# Altium PCB openservo_tessellated.PcbDoc (part 4 of 13) (continued)
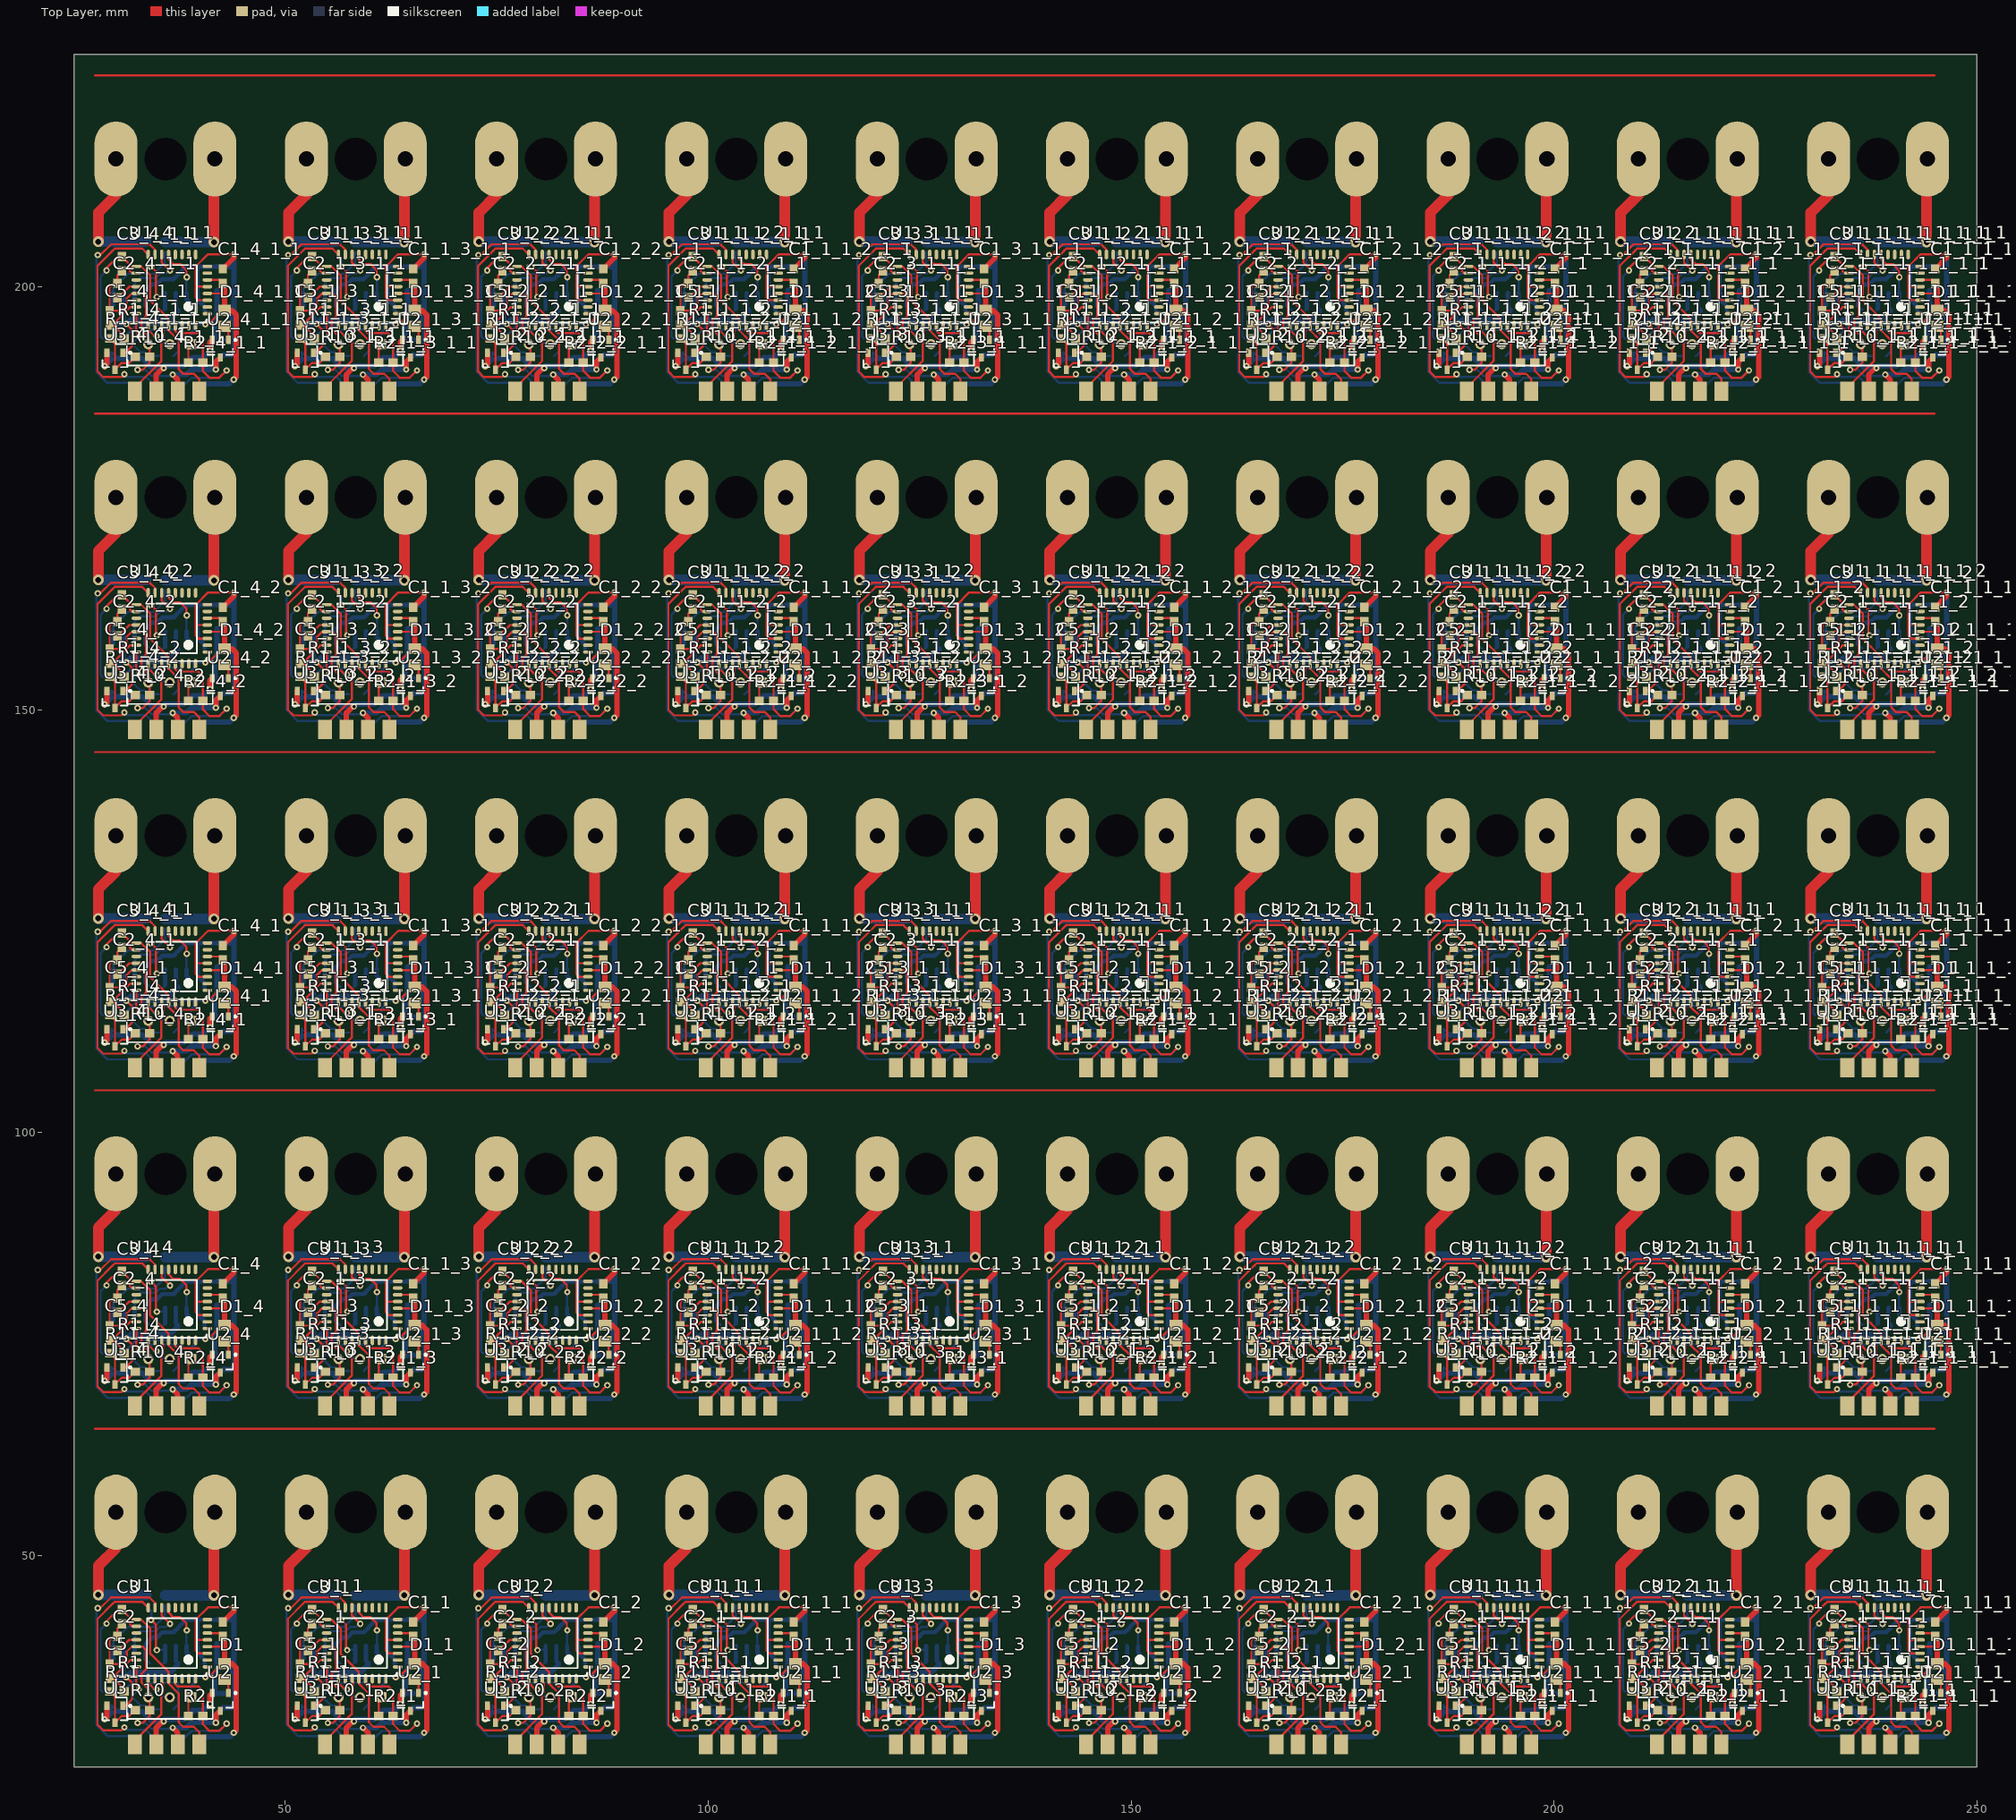
[diagram p0: Top Layer view]
## Nets (pads, with @x,y where several pads share a name; then routed paths per layer and width w, separated by ;. In a path a pad name is that pad's centre, name@x,y a point inside that pad or via, vN(x,y) a via of type N, cw(c..) or ccw(c..) an arc to the next point about the centre after c; other vN are vias at no path point) (continued)
U1_1_1_2.14 U1_1_1_2.15 U1_1_1_2.16 U1_1_1_2.17 U1_1_1_2.18 U1_1_1_2.19 U1_1_1_2.20 U1_1_1_2.21 U1_1_1_2.22 U1_1_1_2.23 U1_1_1_2.24 U1_1_1_2.25 U1_1_1_2.26 U1_1_1_2.27 U1_1_1_2.28 U1_1_1_2.29 U1_1_1_2.30 U1_1_1_2.31 U1_1_1_2.32 U1_1_1_2_1.1 U1_1_1_2_1.2 U1_1_1_2_1.3 U1_1_1_2_1.4 U1_1_1_2_1.5 U1_1_1_2_1.6 U1_1_1_2_1.7 U1_1_1_2_1.8 U1_1_1_2_1.9 U1_1_1_2_1.10 U1_1_1_2_1.11 U1_1_1_2_1.12 U1_1_1_2_1.13 U1_1_1_2_1.14 U1_1_1_2_1.15 U1_1_1_2_1.16 U1_1_1_2_1.17 U1_1_1_2_1.18 U1_1_1_2_1.19 U1_1_1_2_1.20 U1_1_1_2_1.21 U1_1_1_2_1.22 U1_1_1_2_1.23 U1_1_1_2_1.24 U1_1_1_2_1.25 U1_1_1_2_1.26 U1_1_1_2_1.27 U1_1_1_2_1.28 U1_1_1_2_1.29 U1_1_1_2_1.30 U1_1_1_2_1.31 U1_1_1_2_1.32 U1_1_1_2_1_1.1 U1_1_1_2_1_1.2 U1_1_1_2_1_1.3 U1_1_1_2_1_1.4 U1_1_1_2_1_1.5 U1_1_1_2_1_1.6 U1_1_1_2_1_1.7 U1_1_1_2_1_1.8 U1_1_1_2_1_1.9 U1_1_1_2_1_1.10 U1_1_1_2_1_1.11 U1_1_1_2_1_1.12 U1_1_1_2_1_1.13 U1_1_1_2_1_1.14 U1_1_1_2_1_1.15 U1_1_1_2_1_1.16 U1_1_1_2_1_1.17 U1_1_1_2_1_1.18 U1_1_1_2_1_1.19 U1_1_1_2_1_1.20 U1_1_1_2_1_1.21 U1_1_1_2_1_1.22 U1_1_1_2_1_1.23 U1_1_1_2_1_1.24 U1_1_1_2_1_1.25 U1_1_1_2_1_1.26 U1_1_1_2_1_1.27 U1_1_1_2_1_1.28 U1_1_1_2_1_1.29 U1_1_1_2_1_1.30 U1_1_1_2_1_1.31 U1_1_1_2_1_1.32 U1_1_1_2_2.1 U1_1_1_2_2.2 U1_1_1_2_2.3 U1_1_1_2_2.4 U1_1_1_2_2.5 U1_1_1_2_2.6 U1_1_1_2_2.7 U1_1_1_2_2.8 U1_1_1_2_2.9 U1_1_1_2_2.10 U1_1_1_2_2.11 U1_1_1_2_2.12 U1_1_1_2_2.13 U1_1_1_2_2.14 U1_1_1_2_2.15 U1_1_1_2_2.16 U1_1_1_2_2.17 U1_1_1_2_2.18 U1_1_1_2_2.19 U1_1_1_2_2.20 U1_1_1_2_2.21 U1_1_1_2_2.22 U1_1_1_2_2.23 U1_1_1_2_2.24 U1_1_1_2_2.25 U1_1_1_2_2.26 U1_1_1_2_2.27 U1_1_1_2_2.28 U1_1_1_2_2.29 U1_1_1_2_2.30 U1_1_1_2_2.31 U1_1_1_2_2.32 U1_1_2.1 U1_1_2.2 U1_1_2.3 U1_1_2.4 U1_1_2.5 U1_1_2.6 U1_1_2.7 U1_1_2.8 U1_1_2.9 U1_1_2.10 U1_1_2.11 U1_1_2.12 U1_1_2.13 U1_1_2.14 U1_1_2.15 U1_1_2.16 U1_1_2.17 U1_1_2.18 U1_1_2.19 U1_1_2.20 U1_1_2.21 U1_1_2.22 U1_1_2.23 U1_1_2.24 U1_1_2.25 U1_1_2.26 U1_1_2.27 U1_1_2.28 U1_1_2.29 U1_1_2.30 U1_1_2.31 U1_1_2.32 U1_1_2_1.1 U1_1_2_1.2 U1_1_2_1.3 U1_1_2_1.4 U1_1_2_1.5 U1_1_2_1.6 U1_1_2_1.7 U1_1_2_1.8 U1_1_2_1.9 U1_1_2_1.10 U1_1_2_1.11 U1_1_2_1.12 U1_1_2_1.13 U1_1_2_1.14 U1_1_2_1.15 U1_1_2_1.16 U1_1_2_1.17 U1_1_2_1.18 U1_1_2_1.19 U1_1_2_1.20 U1_1_2_1.21 U1_1_2_1.22 U1_1_2_1.23 U1_1_2_1.24 U1_1_2_1.25 U1_1_2_1.26 U1_1_2_1.27 U1_1_2_1.28 U1_1_2_1.29 U1_1_2_1.30 U1_1_2_1.31 U1_1_2_1.32 U1_1_2_1_1.1 U1_1_2_1_1.2 U1_1_2_1_1.3 U1_1_2_1_1.4 U1_1_2_1_1.5 U1_1_2_1_1.6 U1_1_2_1_1.7 U1_1_2_1_1.8 U1_1_2_1_1.9 U1_1_2_1_1.10 U1_1_2_1_1.11 U1_1_2_1_1.12 U1_1_2_1_1.13 U1_1_2_1_1.14 U1_1_2_1_1.15 U1_1_2_1_1.16 U1_1_2_1_1.17 U1_1_2_1_1.18 U1_1_2_1_1.19 U1_1_2_1_1.20 U1_1_2_1_1.21 U1_1_2_1_1.22 U1_1_2_1_1.23 U1_1_2_1_1.24 U1_1_2_1_1.25 U1_1_2_1_1.26 U1_1_2_1_1.27 U1_1_2_1_1.28 U1_1_2_1_1.29 U1_1_2_1_1.30 U1_1_2_1_1.31 U1_1_2_1_1.32 U1_1_2_1_1_1.1 U1_1_2_1_1_1.2 U1_1_2_1_1_1.3 U1_1_2_1_1_1.4 U1_1_2_1_1_1.5 U1_1_2_1_1_1.6 U1_1_2_1_1_1.7 U1_1_2_1_1_1.8 U1_1_2_1_1_1.9 U1_1_2_1_1_1.10 U1_1_2_1_1_1.11 U1_1_2_1_1_1.12 U1_1_2_1_1_1.13 U1_1_2_1_1_1.14 U1_1_2_1_1_1.15 U1_1_2_1_1_1.16 U1_1_2_1_1_1.17 U1_1_2_1_1_1.18 U1_1_2_1_1_1.19 U1_1_2_1_1_1.20 U1_1_2_1_1_1.21 U1_1_2_1_1_1.22 U1_1_2_1_1_1.23 U1_1_2_1_1_1.24 U1_1_2_1_1_1.25 U1_1_2_1_1_1.26 U1_1_2_1_1_1.27 U1_1_2_1_1_1.28 U1_1_2_1_1_1.29 U1_1_2_1_1_1.30 U1_1_2_1_1_1.31 U1_1_2_1_1_1.32 U1_1_2_1_2.1 U1_1_2_1_2.2 U1_1_2_1_2.3 U1_1_2_1_2.4 U1_1_2_1_2.5 U1_1_2_1_2.6 U1_1_2_1_2.7 U1_1_2_1_2.8 U1_1_2_1_2.9 U1_1_2_1_2.10 U1_1_2_1_2.11 U1_1_2_1_2.12 U1_1_2_1_2.13 U1_1_2_1_2.14 U1_1_2_1_2.15 U1_1_2_1_2.16 U1_1_2_1_2.17 U1_1_2_1_2.18 U1_1_2_1_2.19 U1_1_2_1_2.20 U1_1_2_1_2.21 U1_1_2_1_2.22 U1_1_2_1_2.23 U1_1_2_1_2.24 U1_1_2_1_2.25 U1_1_2_1_2.26 U1_1_2_1_2.27 U1_1_2_1_2.28 U1_1_2_1_2.29 U1_1_2_1_2.30 U1_1_2_1_2.31 U1_1_2_1_2.32 U1_1_3.1 U1_1_3.2 U1_1_3.3 U1_1_3.4 U1_1_3.5 U1_1_3.6 U1_1_3.7 U1_1_3.8 U1_1_3.9 U1_1_3.10 U1_1_3.11 U1_1_3.12 U1_1_3.13 U1_1_3.14 U1_1_3.15 U1_1_3.16 U1_1_3.17 U1_1_3.18 U1_1_3.19 U1_1_3.20 U1_1_3.21 U1_1_3.22 U1_1_3.23 U1_1_3.24 U1_1_3.25 U1_1_3.26 U1_1_3.27 U1_1_3.28 U1_1_3.29 U1_1_3.30 U1_1_3.31 U1_1_3.32 U1_1_3_1.1 U1_1_3_1.2 U1_1_3_1.3 U1_1_3_1.4 U1_1_3_1.5 U1_1_3_1.6 U1_1_3_1.7 U1_1_3_1.8 U1_1_3_1.9 U1_1_3_1.10 U1_1_3_1.11 U1_1_3_1.12 U1_1_3_1.13 U1_1_3_1.14 U1_1_3_1.15 U1_1_3_1.16 U1_1_3_1.17 U1_1_3_1.18 U1_1_3_1.19 U1_1_3_1.20 U1_1_3_1.21 U1_1_3_1.22 U1_1_3_1.23 U1_1_3_1.24 U1_1_3_1.25 U1_1_3_1.26 U1_1_3_1.27 U1_1_3_1.28 U1_1_3_1.29 U1_1_3_1.30 U1_1_3_1.31 U1_1_3_1.32 U1_1_3_1_1.1 U1_1_3_1_1.2 U1_1_3_1_1.3 U1_1_3_1_1.4 U1_1_3_1_1.5 U1_1_3_1_1.6 U1_1_3_1_1.7 U1_1_3_1_1.8 U1_1_3_1_1.9 U1_1_3_1_1.10 U1_1_3_1_1.11 U1_1_3_1_1.12 U1_1_3_1_1.13 U1_1_3_1_1.14 U1_1_3_1_1.15 U1_1_3_1_1.16 U1_1_3_1_1.17 U1_1_3_1_1.18 U1_1_3_1_1.19 U1_1_3_1_1.20 U1_1_3_1_1.21 U1_1_3_1_1.22 U1_1_3_1_1.23 U1_1_3_1_1.24 U1_1_3_1_1.25 U1_1_3_1_1.26 U1_1_3_1_1.27 U1_1_3_1_1.28 U1_1_3_1_1.29 U1_1_3_1_1.30 U1_1_3_1_1.31 U1_1_3_1_1.32 U1_1_3_2.1 U1_1_3_2.2 U1_1_3_2.3 U1_1_3_2.4 U1_1_3_2.5 U1_1_3_2.6 U1_1_3_2.7 U1_1_3_2.8 U1_1_3_2.9 U1_1_3_2.10 U1_1_3_2.11 U1_1_3_2.12 U1_1_3_2.13 U1_1_3_2.14 U1_1_3_2.15 U1_1_3_2.16 U1_1_3_2.17 U1_1_3_2.18 U1_1_3_2.19 U1_1_3_2.20 U1_1_3_2.21 U1_1_3_2.22 U1_1_3_2.23 U1_1_3_2.24 U1_1_3_2.25 U1_1_3_2.26 U1_1_3_2.27 U1_1_3_2.28 U1_1_3_2.29 U1_1_3_2.30 U1_1_3_2.31 U1_1_3_2.32 U1_2.1 U1_2.2 U1_2.3 U1_2.4 U1_2.5 U1_2.6 U1_2.7 U1_2.8 U1_2.9 U1_2.10 U1_2.11 U1_2.12 U1_2.13 U1_2.14 U1_2.15 U1_2.16 U1_2.17 U1_2.18 U1_2.19 U1_2.20 U1_2.21 U1_2.22 U1_2.23 U1_2.24 U1_2.25 U1_2.26 U1_2.27 U1_2.28 U1_2.29 U1_2.30 U1_2.31 U1_2.32 U1_2_1.1 U1_2_1.2 U1_2_1.3 U1_2_1.4 U1_2_1.5 U1_2_1.6 U1_2_1.7 U1_2_1.8 U1_2_1.9 U1_2_1.10 U1_2_1.11 U1_2_1.12 U1_2_1.13 U1_2_1.14 U1_2_1.15 U1_2_1.16 U1_2_1.17 U1_2_1.18 U1_2_1.19 U1_2_1.20 U1_2_1.21 U1_2_1.22 U1_2_1.23 U1_2_1.24 U1_2_1.25 U1_2_1.26 U1_2_1.27 U1_2_1.28 U1_2_1.29 U1_2_1.30 U1_2_1.31 U1_2_1.32 U1_2_1_1.1 U1_2_1_1.2 U1_2_1_1.3 U1_2_1_1.4 U1_2_1_1.5 U1_2_1_1.6 U1_2_1_1.7 U1_2_1_1.8 U1_2_1_1.9 U1_2_1_1.10 U1_2_1_1.11 U1_2_1_1.12 U1_2_1_1.13 U1_2_1_1.14 U1_2_1_1.15 U1_2_1_1.16 U1_2_1_1.17 U1_2_1_1.18 U1_2_1_1.19 U1_2_1_1.20 U1_2_1_1.21 U1_2_1_1.22 U1_2_1_1.23 U1_2_1_1.24 U1_2_1_1.25 U1_2_1_1.26 U1_2_1_1.27 U1_2_1_1.28 U1_2_1_1.29 U1_2_1_1.30 U1_2_1_1.31 U1_2_1_1.32 U1_2_1_1_1.1 U1_2_1_1_1.2 U1_2_1_1_1.3 U1_2_1_1_1.4 U1_2_1_1_1.5 U1_2_1_1_1.6 U1_2_1_1_1.7 U1_2_1_1_1.8 U1_2_1_1_1.9 U1_2_1_1_1.10 U1_2_1_1_1.11 U1_2_1_1_1.12 U1_2_1_1_1.13 U1_2_1_1_1.14 U1_2_1_1_1.15 U1_2_1_1_1.16 U1_2_1_1_1.17 U1_2_1_1_1.18 U1_2_1_1_1.19 U1_2_1_1_1.20 U1_2_1_1_1.21 U1_2_1_1_1.22 U1_2_1_1_1.23 U1_2_1_1_1.24 U1_2_1_1_1.25 U1_2_1_1_1.26 U1_2_1_1_1.27 U1_2_1_1_1.28 U1_2_1_1_1.29 U1_2_1_1_1.30 U1_2_1_1_1.31 U1_2_1_1_1.32 U1_2_1_1_1_1.1 U1_2_1_1_1_1.2 U1_2_1_1_1_1.3 U1_2_1_1_1_1.4 U1_2_1_1_1_1.5 U1_2_1_1_1_1.6 U1_2_1_1_1_1.7 U1_2_1_1_1_1.8 U1_2_1_1_1_1.9 U1_2_1_1_1_1.10 U1_2_1_1_1_1.11 U1_2_1_1_1_1.12 U1_2_1_1_1_1.13 U1_2_1_1_1_1.14 U1_2_1_1_1_1.15 U1_2_1_1_1_1.16 U1_2_1_1_1_1.17 U1_2_1_1_1_1.18 U1_2_1_1_1_1.19 U1_2_1_1_1_1.20 U1_2_1_1_1_1.21 U1_2_1_1_1_1.22 U1_2_1_1_1_1.23 U1_2_1_1_1_1.24 U1_2_1_1_1_1.25 U1_2_1_1_1_1.26 U1_2_1_1_1_1.27 U1_2_1_1_1_1.28 U1_2_1_1_1_1.29 U1_2_1_1_1_1.30 U1_2_1_1_1_1.31 U1_2_1_1_1_1.32 U1_2_1_1_1_1_1.1 U1_2_1_1_1_1_1.2 U1_2_1_1_1_1_1.3 U1_2_1_1_1_1_1.4 U1_2_1_1_1_1_1.5 U1_2_1_1_1_1_1.6 U1_2_1_1_1_1_1.7 U1_2_1_1_1_1_1.8 U1_2_1_1_1_1_1.9 U1_2_1_1_1_1_1.10 U1_2_1_1_1_1_1.11 U1_2_1_1_1_1_1.12 U1_2_1_1_1_1_1.13 U1_2_1_1_1_1_1.14 U1_2_1_1_1_1_1.15 U1_2_1_1_1_1_1.16 U1_2_1_1_1_1_1.17 U1_2_1_1_1_1_1.18 U1_2_1_1_1_1_1.19 U1_2_1_1_1_1_1.20 U1_2_1_1_1_1_1.21 U1_2_1_1_1_1_1.22 U1_2_1_1_1_1_1.23 U1_2_1_1_1_1_1.24 U1_2_1_1_1_1_1.25 U1_2_1_1_1_1_1.26 U1_2_1_1_1_1_1.27 U1_2_1_1_1_1_1.28 U1_2_1_1_1_1_1.29 U1_2_1_1_1_1_1.30 U1_2_1_1_1_1_1.31 U1_2_1_1_1_1_1.32 U1_2_1_1_1_2.1 U1_2_1_1_1_2.2 U1_2_1_1_1_2.3 U1_2_1_1_1_2.4 U1_2_1_1_1_2.5 U1_2_1_1_1_2.6 U1_2_1_1_1_2.7 U1_2_1_1_1_2.8 U1_2_1_1_1_2.9 U1_2_1_1_1_2.10 U1_2_1_1_1_2.11 U1_2_1_1_1_2.12 U1_2_1_1_1_2.13 U1_2_1_1_1_2.14 U1_2_1_1_1_2.15 U1_2_1_1_1_2.16 U1_2_1_1_1_2.17 U1_2_1_1_1_2.18 U1_2_1_1_1_2.19 U1_2_1_1_1_2.20 U1_2_1_1_1_2.21 U1_2_1_1_1_2.22 U1_2_1_1_1_2.23 U1_2_1_1_1_2.24